# Altium PCB Kasli-DIOT.PCBDOC (part 7 of 21)
Units mm, origin at the board's own origin, x right, y up, seen from the top; angles counter-clockwise.
Board outline 222.34 x 100 mm, 10 copper layers (TopLayer, Layer 2, Layer 3, Layer 4, Layer 5, Layer 6, Layer 7, layer 8, Layer 9, BottomLayer), stack 1.564 mm thick; 974 components, 908 nets, 4662 pads, 2649 vias.
Unrouted connection lines stored in the file: 17.
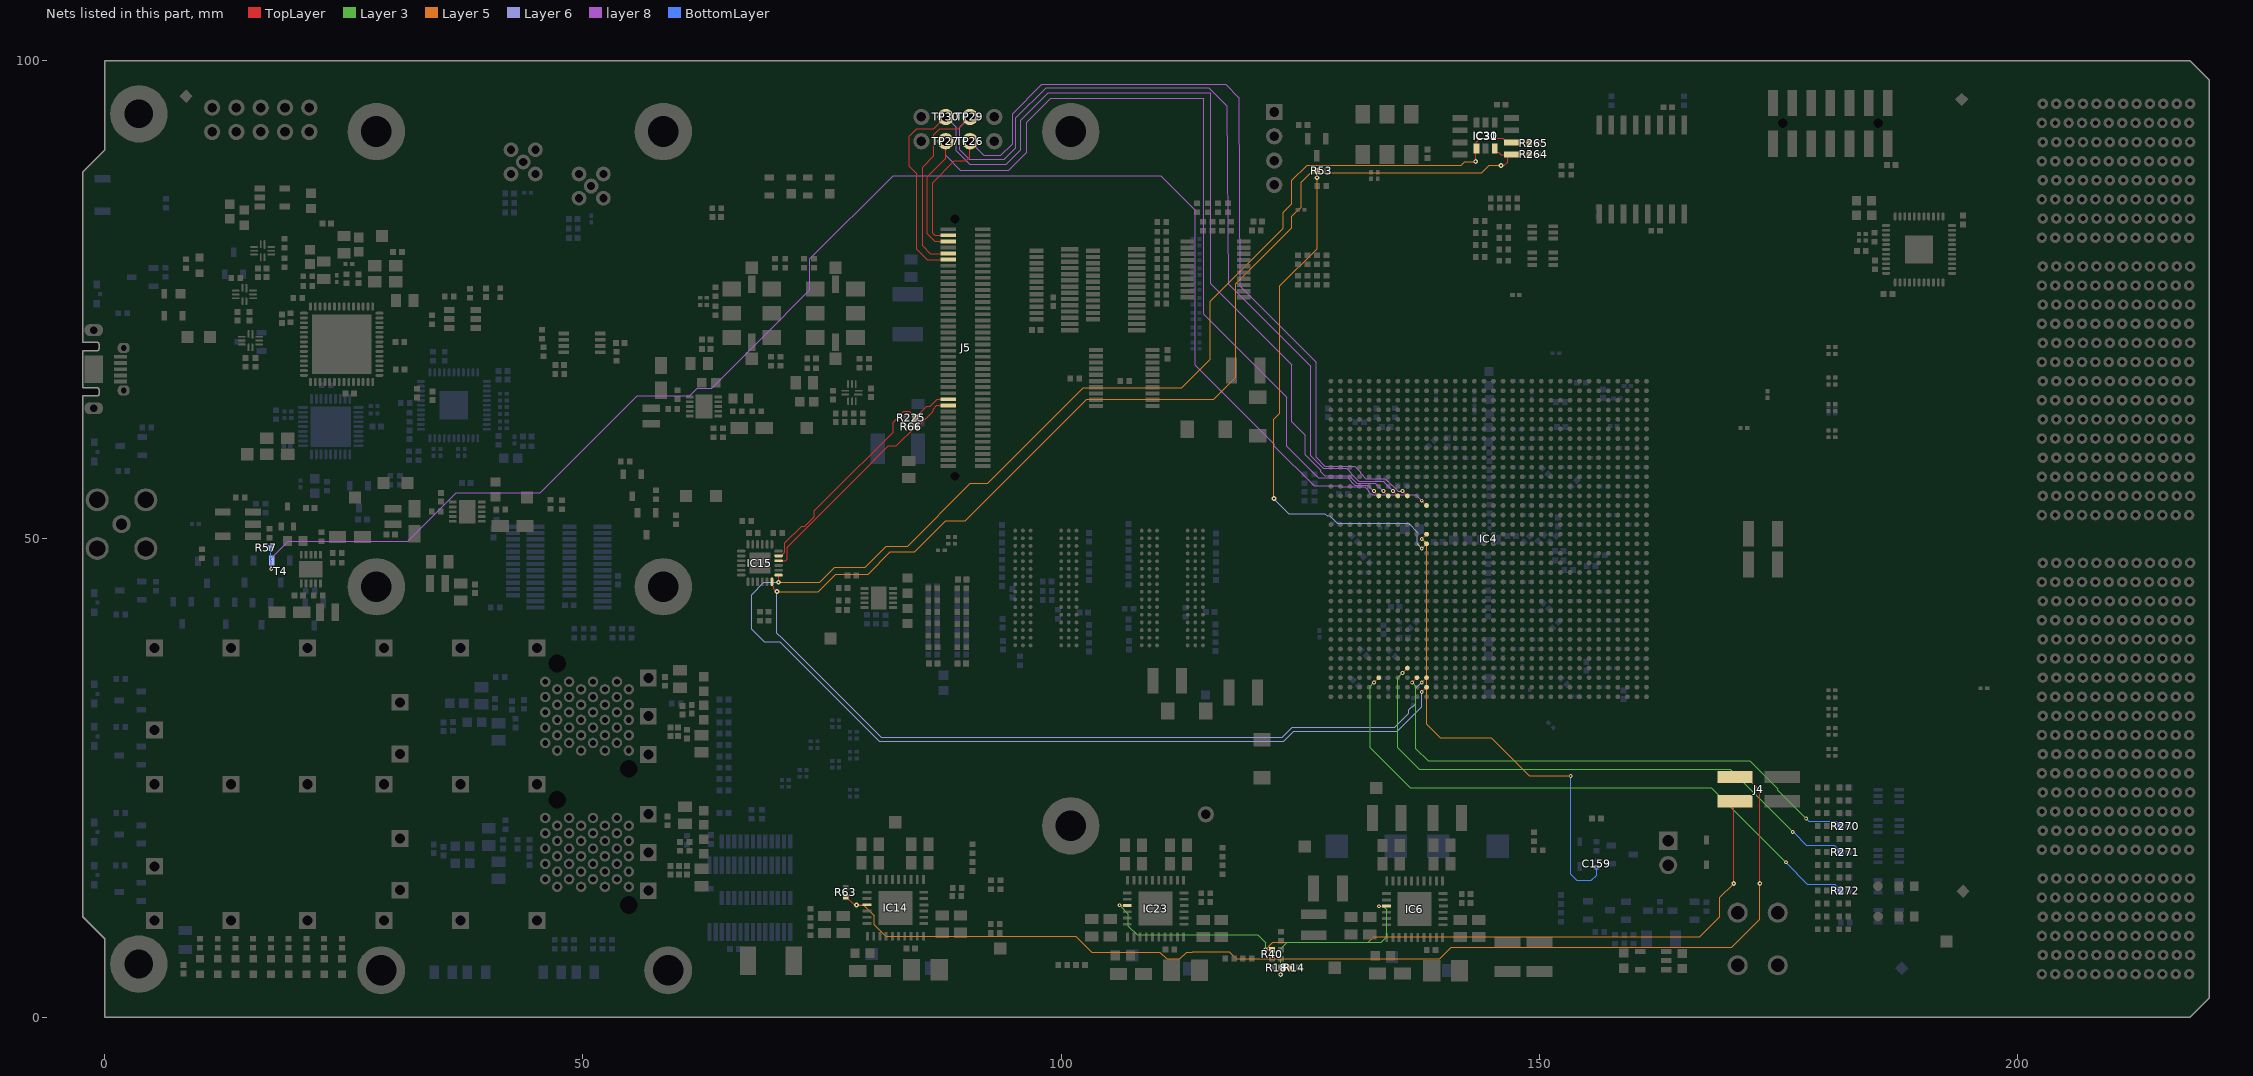
[diagram p15: the nets of this part, all layers, seen from the top]

## Via types
v1: diameter 0.4, hole 0.2, TopLayer to BottomLayer, tented both sides, 1661 vias
v2: diameter 0.5, hole 0.2, TopLayer to BottomLayer, tented both sides, 516 vias
v3: diameter 0.6, hole 0.3, TopLayer to BottomLayer, tented both sides, 175 vias
v4: diameter 0.6, hole 0.3, TopLayer to BottomLayer, 113 vias
v5: diameter 0.5, hole 0.2, TopLayer to BottomLayer, 110 vias
v6: diameter 0.4, hole 0.2, TopLayer to BottomLayer, 67 vias
v7: diameter 0.8, hole 0.5, TopLayer to BottomLayer, tented both sides, 7 vias

## Nets (pads, with @x,y where several pads share a name; then routed paths per layer and width w, separated by ;. In a path a pad name is that pad's centre, name@x,y a point inside that pad or via, vN(x,y) a via of type N, cw(c..) or ccw(c..) an arc to the next point about the centre after c; other vN are vias at no path point) (continued)
EEPROM_SCL: IC4.AN11 IC15.13 IC30.1 IC31.6 R265.1 | length 191.5
  TopLayer w0.095: v2(70.45,45.475) IC15.13@70.45,46.229
  TopLayer w0.125: v2(143.342,89.454) 143.342,90.742 IC30.1@143.425,90.825 143.425,91.5 143.836,91.911 146.179,91.911 146.625,91.465 IC31.6@147.1,91.465 148.865,91.465 R265.1@148.93,91.4
  TopLayer w0.127: v1(137.7,34) IC4.AN11@138.2,34.5
  Layer 5 w0.095: v2(70.45,45.475) 74.778,45.475 76.328,47.025 79.492,47.025 81.69,49.224 83.94,49.224 90.516,55.8 92.3,55.8 102.3,65.8 112.6,65.8 115.6,68.8 115.6,74.845 123.243,82.488 123.243,84.143 124.124,85.024 124.124,87.5 125.714,89.09 141.853,89.09 142.217,89.454 v2(143.342,89.454)
  Layer 6 w0.127: v2(70.45,45.475) 68.924,45.475 67.625,44.176 67.625,40.585 68.979,39.23 70.581,39.23 80.986,28.825 123.268,28.825 124.324,29.881 135.14,29.881 137.7,32.441 v1(137.7,34)
EEPROM_SDA: IC4.AM11 IC15.12 IC30.3 IC31.5 R264.1 | length 189.2
  TopLayer w0.095: IC15.12@69.75,45.529 69.75,45.229 69.966,45.013 69.966,44.809 v2(70.275,44.5)
  TopLayer w0.125: IC30.3@145.325,90.648 145.562,90.411 145.739,90.411 145.955,90.195 146.923,90.195 146.686,89.958 146.686,89.405 146.35,89.069 146.019,89.069 v2(146,89.05) ; IC31.5@147.1,90.195 148.925,90.195 R264.1@148.93,90.2
  TopLayer w0.127: v1(137.7,35) IC4.AM11@138.2,35.5
  Layer 5 w0.095: v2(70.275,44.5) 74.603,44.5 76.428,46.325 79.81,46.325 82.134,48.649 84.71,48.649 87.955,51.894 89.994,51.894 102.7,64.6 115.931,64.6 118.25,66.919 118.25,76.664 124.124,82.538 124.124,83.724 125.1,84.7 125.1,87.3 126.1,88.3 144,88.3 144.75,89.05 v2(146,89.05)
  Layer 6 w0.127: v2(70.275,44.5) 70.275,40.144 70.759,39.66 81.164,29.254 123.09,29.254 124.146,30.31 134.885,30.31 136.336,31.762 136.336,32.151 136.656,32.47 136.756,32.47 137.075,32.79 137.075,34.375 v1(137.7,35)
EN1: IC6.19 R14.1 R18.2 | length 20.5
  TopLayer w0.127: v2(122.951,4.451) 122.951,5.131 R18.2@122.995,5.175 123.855,5.175 R14.1@123.88,5.2 ; v1(133.225,11.6) 133.242,11.617 IC6.19@134,11.617
  Layer 3 w0.127: v2(122.951,4.451) 122.951,7.147 123.629,7.825 133.475,7.825 134.05,8.4 134.05,11.225 133.675,11.6 v1(133.225,11.6)
EN2: IC23.19 J4.3 R40.1 | length 81.5
  TopLayer w0.127: v6(106.1,11.7) 106.113,11.688 106.9,11.688 IC23.19@106.913,11.675 ; v6(121.375,7.075) 122.041,7.075 R40.1@122.054,7.062 ; v2(170.322,13.964) 170.322,22.445 J4.3@170.447,22.57
  Layer 3 w0.127: v6(106.1,11.7) 107.025,10.775 107.025,9.525 107.95,8.6 120.55,8.6 121.375,7.775 v6(121.375,7.075)
  Layer 5 w0.127: v6(121.375,7.075) 122.113,7.813 132.127,7.813 132.7,8.386 166.76,8.386 168.877,10.504 168.877,12.519 v2(170.322,13.964)
EN3: IC14.19 J4.1 R63.1 | length 118.9
  TopLayer w0.127: R63.1@77.475,12.605 77.495,12.605 78.304,11.796 78.529,11.796 v2(78.6,11.725) 78.613,11.738 79.7,11.738 IC14.19@79.712,11.75 ; J4.1@170.447,25.11 171.652,25.11 173.047,23.714 v2(173.047,13.964)
  Layer 5 w0.127: v2(78.6,11.725) 79.359,11.725 80.475,10.609 80.475,9.675 81.669,8.481 101.519,8.481 103.2,6.8 110.316,6.8 111.016,6.1 112.419,6.1 113.119,6.8 113.715,6.8 113.755,6.84 117.56,6.84 118.3,6.1 139.6,6.1 140.8,7.3 170.119,7.3 173.047,10.228 v2(173.047,13.964)
EXT_SCL: IC15.17 J5.58 R225.1 | length 26.6
  TopLayer w0.125: IC15.17@70.45,48.229 70.75,48.229 71.112,48.591 71.112,49.578 72.862,51.328 73.19,51.328 74.175,52.312 74.175,52.937 75.782,54.545 75.787,54.545 82.419,61.176 82.419,62.212 83.566,63.359 84.121,63.359 R225.1@84.77,62.71 ; R225.1@84.77,62.69 R225.1@84.77,62.71 ; J5.58@88.2,64.602 87.051,64.602 86.299,63.85 85.93,63.85 85.017,62.938 84.997,62.938 R225.1@84.77,62.71
EXT_SDA: IC15.16 J5.60 R66.1 | length 25.4
  TopLayer w0.125: IC15.16@70.45,47.729 71.169,47.729 71.337,47.897 71.337,49.157 78.972,56.791 79.003,56.791 81.936,59.723 82.763,59.723 84.77,61.73 R66.1@84.77,61.75 84.77,61.77 84.997,61.997 85.247,61.997 86.609,63.359 86.609,63.56 87.016,63.967 J5.60@88.2,63.967
F_IO0: IC4.AM6 R272.1 | length 63.2
  TopLayer w0.127: v1(132.7,35) IC4.AM6@133.2,35.5
  Layer 3 w0.127: v1(132.7,35) 132.309,34.609 132.309,28.188 136.487,24.011 167.963,24.011 v1(175.774,16.2)
  BottomLayer w0.127: v1(175.774,16.2) 176.926,15.049 176.926,14.974 178.025,13.875 180.875,13.875 181.53,13.22 R272.1@181.53,13.2
F_IO1: IC4.AL9 R271.1 | length 59.6
  TopLayer w0.127: v1(135.7,36) IC4.AL9@136.2,36.5
  Layer 3 w0.127: v1(135.7,36) 135.2,35.5 135.2,30.5 135.2,28.15 137.45,25.9 169.957,25.9 v1(176.491,19.366)
  BottomLayer w0.127: v1(176.491,19.366) 176.532,19.325 176.575,19.325 177.925,17.975 180.823,17.975 181.284,17.514 181.304,17.514 181.53,17.288 R271.1@181.53,17.268
F_RST: IC4.AM10 R270.1 | length 55.7
  TopLayer w0.127: v1(136.7,35) IC4.AM10@137.2,35.5
  Layer 3 w0.127: v1(136.7,35) 137.09,34.609 137.09,30.5 137.09,28.085 138.379,26.796 171.979,26.796 174.911,23.864 174.911,23.742 v1(177.895,20.758)
  BottomLayer w0.127: v1(177.895,20.758) 178.177,20.475 181.016,20.475 181.284,20.207 181.304,20.207 181.53,19.981 R270.1@181.53,19.961
FAN_PWM: C159.2 IC4.U11 | length 51.9
  TopLayer w0.127: v1(137.7,50) IC4.U11@138.2,50.5
  Layer 5 w0.127: v1(137.7,50) 138.208,49.492 138.208,30.642 139.625,29.225 144.95,29.225 148.95,25.225 v1(153.275,25.225)
  BottomLayer w0.127: v1(153.275,25.225) 153.275,14.946 153.921,14.3 155.433,14.3 155.975,14.842 C159.2@155.975,15.675
FPGA_DONE: IC4.P11 R57.1 T4.1 | length 166.6
  TopLayer w0.095: v1(137.7,54) IC4.P11@138.2,53.5
  layer 8 w0.095: 129.274,55.445 131.746,55.445 132.173,55.019 132.173,54.954 132.502,54.626 136.855,54.626 136.875,54.645 137.055,54.645 v1(137.7,54)
  layer 8 w0.125: v1(17.412,46.85) 17.412,47.984 19.177,49.749 31.669,49.749 36.77,54.85 45.55,54.85 55.7,65 61.15,65 61.925,65.775 63.456,65.775 71.191,73.51 71.191,73.541 73.725,76.075 73.725,79.281 82.422,87.978 110.397,87.978 114.025,84.35 114.025,68.16 122.263,59.922 122.263,59.716 126.436,55.544 129.175,55.544 129.274,55.445
  BottomLayer w0.125: R57.1@17.37,49.075 17.37,47.83 T4.1@17.45,47.75 17.412,47.712 v1(17.412,46.85)
FPGA_INIT_B: IC4.V11 R53.2 | length 55.2
  TopLayer w0.095: v1(137.7,49) IC4.V11@138.2,49.5
  TopLayer w0.127: v5(126.75,87.775) 126.75,88.465 R53.2@126.76,88.475
  Layer 5 w0.127: v5(122.25,54.225) 122.25,62.5 122.875,63.125 122.875,76.45 126.75,80.325 v5(126.75,87.775)
  Layer 6 w0.1: v5(122.25,54.225) 122.25,54.195 123.792,52.653 127.562,52.653 127.813,52.402 128.102,52.402 128.879,51.624 136.326,51.624 137.225,50.725 137.225,49.475 v1(137.7,49)
FPGA_TESTPOINT0: IC4.N9 J5.4 TP26.1 | length 100.1
  TopLayer w0.095: v1(135.7,55) IC4.N9@136.2,54.5
  TopLayer w0.127: J5.4@88.2,81.747 86.774,81.747 86.55,81.971 86.55,87.23 88.845,89.525 90.087,89.525 90.465,89.903 TP26.1@90.465,91.585
  layer 8 w0.095: TP26.1@90.465,91.585 91.923,90.127 93.707,90.127 94.925,91.344 94.925,94.463 97.987,97.525 117.2,97.525 118.516,96.209 118.544,96.181 118.697,76.454 ; 118.697,76.453 118.725,76.425 126.65,68.5 126.65,58.52 127.545,57.626 130.7,57.626 131.325,57 131.325,56.845 131.87,56.3 133.87,56.3 134.545,55.625 134.604,55.625 135.23,55 v1(135.7,55)
FPGA_TESTPOINT1: IC4.N6 J5.6 TP27.1 | length 98.7
  TopLayer w0.095: v1(132.7,55) IC4.N6@133.2,54.5
  TopLayer w0.127: TP27.1@87.925,91.585 87.925,89.799 86.018,87.892 86.018,81.898 86.803,81.112 J5.6@88.2,81.112
  layer 8 w0.095: TP27.1@87.925,91.585 87.925,90.1 89.45,88.575 94.5,88.575 96.375,90.45 96.375,93.549 98.901,96.075 114.869,96.075 114.925,96.019 114.925,73.475 123.6,64.8 123.6,59.67 126.896,56.374 129.951,56.374 130.685,55.64 132.06,55.64 v1(132.7,55)
FPGA_TESTPOINT2: IC4.N8 J5.10 TP29.1 | length 108.6
  TopLayer w0.095: v1(134.7,55) IC4.N8@135.2,54.5
  TopLayer w0.127: J5.10@88.2,79.842 86.301,79.842 85.506,80.637 85.506,88.881 86.7,90.074 86.7,92.275 87.32,92.895 89.235,92.895 TP29.1@90.465,94.125
  layer 8 w0.095: TP29.1@90.465,94.125 89.407,93.067 89.407,90.693 90.4,89.7 94.034,89.7 95.25,90.916 95.25,94.015 98.435,97.2 115.417,97.2 117.305,95.312 117.481,76.669 117.509,76.641 126.1,68.05 126.1,58.675 127.4,57.375 129.855,57.375 130.158,57.072 130.158,57.013 130.46,56.71 131.12,56.05 133.65,56.05 v1(134.7,55)
FPGA_TESTPOINT3: IC4.N7 J5.12 TP30.1 | length 109.1
  TopLayer w0.095: v1(133.7,55) IC4.N7@134.2,54.5
  TopLayer w0.127: TP30.1@87.925,94.125 86.7,92.9 84.9,92.9 84.1,92.1 84.1,88.992 84.925,88.167 84.925,80.3 86.018,79.207 J5.12@88.2,79.207
  layer 8 w0.095: TP30.1@87.925,94.125 89.025,93.025 89.025,90.575 90.425,89.175 94.251,89.175 95.775,90.699 95.775,93.798 98.652,96.675 115.569,96.675 115.625,96.619 115.625,76.7 124.1,68.225 124.1,62.25 125.525,60.825 125.525,58.805 127.138,57.192 127.138,57.033 127.545,56.626 130.124,56.626 130.915,55.835 132.865,55.835 v1(133.7,55)